# KiCad board Keyboard.kicad_pcb (continued)
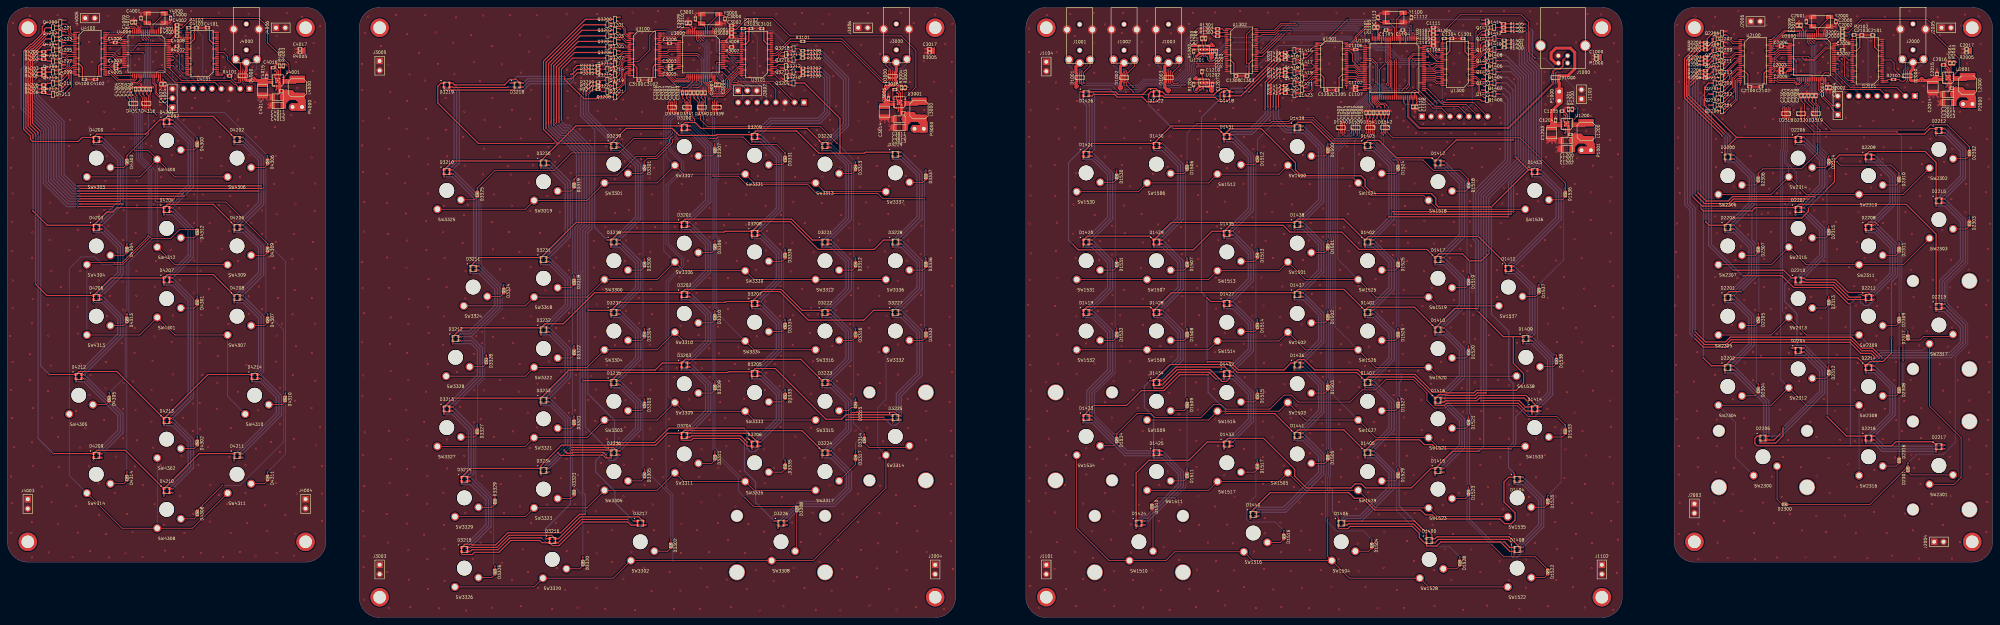
[diagram p0: board, top side]
## Routing (per net, layer and track width the routed paths; a pad name or vN(x,y) marks a point on that pad's centre or on a via; arc(x,y) is an arc through that point) (continued)
VDD_3V3: length 260.6
  Top w0.3: U1302.42 v1(336.1,156.2) ; 359.55,142.6 v1(359.55,143.5) 359.55,146 v1(360.4,146.85) U1301.31 ; U1302.1 v1(330.3,159.2) ; U1100.50 v1(365.4,142.6) 364.55,142.6 ; U1301.1 v1(354.6,155.35) ; U1301.24 v1(354.6,143.85) ; U1300.42 v1(388.6,146.85) ; U1100.100 v1(383.6,154.6) 384.45,154.6 384.45,155.6 ; 389.45,156.6 v1(389.45,155.65) 389.45,153.2 v1(388.6,152.35) U1300.31 ; U1100.28 v1(365.4,153.6) 364.55,153.6 ; 370.25,156.55 U1100.21 370.5,157.4 v1(370,157.9) ; 370.25,156.55 U1100.22 v1(370,157.9) ; 370.25,156.55 370.25,157.65 v1(370,157.9) ; 371.7,158.85 371.5,158.65 v1(371.5,157.9) U1100.19 ; v1(370,157.9) 370,159.05 369,159.05 ; U1300.24 v1(394.4,155.35) ; 376.2,158.85 v1(375.57,158.22) 375.5,158.15 U1100.11 ; 385.45,157.6 v1(386.2,157.6) ; R1304.1 C1304.1 ; U1100.75 v1(380.5,139.5) 380.5,138.65 ; 335.25,146.45 v1(335.25,147.45) 335.25,149.85 v1(336.1,150.7) U1302.31 ; U1300.1 v1(394.4,143.85) ; U1301.42 v1(360.4,152.35)
  In2.Cu w0.3: 382.5,150.8 382.5,141.5 v1(380.5,139.5) ; 382.5,150.8 382.5,153.5 v1(383.6,154.6) ; 382.5,150.8 387.8,150.8 387.9,150.9 ; P1001.2 421.77,126.38 418.88,129.28 418.88,136.07 417.05,137.9 398.2,137.9 394.4,141.7 v1(394.4,143.85) 391.6,143.85 v1(388.6,146.85) 387.9,147.55 387.9,150.9 ; v1(365.4,153.6) 369.7,157.9 v1(370,157.9) v1(371.5,157.9) 372.2,157.2 374.55,157.2 v1(375.57,158.22) 378.6,155.2 381.9,155.2 382.5,154.6 v1(383.6,154.6) ; v1(365.4,153.6) 366.2,152.8 366.2,143.4 v1(365.4,142.6) 367.2,140.8 379.2,140.8 v1(380.5,139.5) ; v1(365.4,153.6) 364.15,152.35 v1(360.4,152.35) ; 335.3,155.4 331.5,159.2 v1(330.3,159.2) ; 335.3,155.4 335.3,151.5 v1(336.1,150.7) ; 335.3,155.4 v1(336.1,156.2) ; v1(383.6,154.6) 386.2,157.2 v1(386.2,157.6) ; v1(394.4,155.35) 394.1,155.65 v1(389.45,155.65) 389.45,153.2 v1(388.6,152.35) 387.9,151.65 387.9,150.9 ; J1100.1 381.88,138.12 v1(380.5,139.5) ; v1(360.4,152.35) 361.1,151.65 361.1,147.55 v1(360.4,146.85) 359.55,146 v1(359.55,143.5) 359.2,143.85 v1(354.6,143.85) 351.75,143.85 344.12,151.47 336.88,151.47 v1(336.1,150.7) ; v1(360.4,152.35) 357.6,152.35 v1(354.6,155.35) ; v1(335.25,147.45) 335.25,149.85 v1(336.1,150.7)
VDD_3V3_2: length 170.3
  Top w0.3: U2100.1 v1(468.99,156.29) ; U2000.53 v1(494.34,149.79) ; 491.14,143.84 491.64,143.84 ; U2000.48 490.94,144.09 491.14,143.89 ; U2101.42 v1(499.29,147.79) ; U2000.64 493.89,155.29 v1(494.24,155.64) 494.84,156.24 ; 491.64,143.84 492.14,143.84 ; 491.64,143.84 v1(491.64,144.54) ; U2000.13 484.94,158.79 v1(484.81,158.91) 484.81,159.01 484.24,159.59 483.24,159.59 ; U2000.32 480.49,147.79 480.24,147.54 ; 473.99,143.54 473.99,144.24 v1(474.29,144.54) 474.29,147.19 v1(474.89,147.79) U2100.31 ; 479.49,154.54 v1(480.14,154.54) 480.39,154.29 U2000.19 ; 483.29,159.59 483.24,159.54 ; U2100.42 v1(474.89,153.29) ; v1(496.59,157.24) 496.54,157.29 495.89,157.29 ; U2100.24 v1(467.89,144.09) ; 479.49,147.34 v1(480.24,147.34) ; v1(499.25,153.3) 500.14,154.19 v1(500.14,156.24) 500.14,157.49 C2103.1 R2102.1 ; U2101.31 499.24,153.29 ; U2101.1 507.59,144.79 v1(507.64,144.74)
  In2.Cu w0.3: v1(480.14,154.54) 481,153.68 481,148.1 v1(480.24,147.34) ; v1(480.14,154.54) 478.89,153.29 v1(474.89,153.29) ; v1(480.14,154.54) 483.1,157.5 483.4,157.5 483.5,157.6 ; 483.5,157.6 v1(484.81,158.91) ; 483.5,157.6 492.28,157.6 v1(494.24,155.64) ; v1(480.24,147.34) 482.08,145.5 490.68,145.5 v1(491.64,144.54) 493.6,146.5 493.6,149.05 v1(494.34,149.79) ; v1(480.24,147.34) 479.08,148.5 475.6,148.5 v1(474.89,147.79) ; 509.38,144 513.06,144 515.02,142.04 522.04,142.04 525.2,138.88 P2000.2 ; v1(494.24,155.64) 494.99,155.64 v1(496.59,157.24) ; v1(494.24,155.64) 493.1,154.5 493.1,151.03 v1(494.34,149.79) ; v1(494.34,149.79) 496.34,147.79 v1(499.29,147.79) ; v1(474.89,147.79) 474.2,148.48 474.2,152.6 v1(474.89,153.29) ; v1(474.89,147.79) 474.29,147.19 v1(474.29,144.54) 474.03,144.8 468.6,144.8 v1(467.89,144.09) ; v1(499.29,147.79) 499.9,148.4 499.9,152.65 v1(499.25,153.3) 500.14,154.19 v1(500.14,156.24) ; v1(499.29,147.79) 502.34,144.74 v1(507.64,144.74) 508.38,144 509.4,144 ; v1(468.99,156.29) 471.89,156.29 v1(474.89,153.29)
VDD_3V3_3: length 180
  Top w0.3: C3010.1 C3009.2 ; U3101.42 v1(199.35,149.55) ; U3000.64 193.95,156.05 v1(194.3,156.4) 194.9,157 ; 200.2,159.3 v1(200.2,158) 200.2,155.95 v1(199.3,155.05) U3101.31 ; 195.95,158.05 196.6,158.05 v1(196.65,158) ; 191.2,144.6 191.7,144.6 ; U3000.48 191,144.85 191.2,144.65 ; 191.7,144.6 v1(191.7,145.3) ; 191.7,144.6 192.2,144.6 ; U3000.2 v1(190.5,159.35) ; U3000.13 185,159.55 v1(184.88,159.68) 184.3,160.25 ; U3000.32 180.55,148.55 v1(180.3,148.3) 179.55,148.3 ; U3100.31 v1(174.95,149.55) 174.35,148.95 v1(174.35,146.3) 174.05,146 174.05,145.3 ; U3100.42 v1(174.95,155.05) ; U3100.1 v1(169.05,158.05) ; U3100.24 v1(169.05,146.55) ; 179.35,155.3 v1(180.2,155.3) 180.45,155.05 U3000.19 ; U3101.1 v1(205.25,146.55) ; R3102.1 C3103.1
  In2.Cu w0.3: 190.75,146.25 v1(191.7,145.3) ; 190.75,146.25 182.35,146.25 v1(180.3,148.3) 180.3,155.2 v1(180.2,155.3) ; 190.75,146.25 193.45,148.95 193.45,156.4 ; 200,150.2 200,154.35 v1(199.3,155.05) ; 200,150.2 203.65,146.55 v1(205.25,146.55) 205.25,144.6 206.97,142.88 211.5,142.88 J3001.1 217.16,137.22 237.12,137.22 242.18,132.18 P3000.2 ; 200,150.2 v1(199.35,149.55) ; v1(180.2,155.3) 179.2,154.3 175.7,154.3 v1(174.95,155.05) ; v1(180.2,155.3) 181.3,155.3 184.88,158.88 ; 193.45,156.4 v1(190.5,159.35) 189.4,158.25 185.5,158.25 184.88,158.88 ; 193.45,156.4 v1(194.3,156.4) 195.9,158 v1(196.65,158) 199.3,155.35 v1(199.3,155.05) ; 184.88,158.88 v1(184.88,159.68) ; v1(174.95,155.05) 172.05,155.05 v1(169.05,158.05) ; v1(174.95,155.05) 174.2,154.3 174.2,150.3 v1(174.95,149.55) 174.35,148.95 v1(174.35,146.3) 174.1,146.55 v1(169.05,146.55) ; v1(199.3,155.05) 200.2,155.95 v1(200.2,158)
VDD_3V3_4: length 174.2
  Top w0.3: C4010.1 C4009.2 ; U4000.19 30.75,155.25 v1(30.5,155.5) 29.65,155.5 ; 24.35,145.5 24.35,146.2 v1(24.65,146.5) 24.65,149.15 v1(25.25,149.75) U4100.31 ; 34.6,160.45 v1(35.17,159.88) 35.3,159.75 U4000.13 ; 42,144.8 v1(42,145.5) ; 42,144.8 42.5,144.8 ; 42,144.8 41.5,144.8 ; 46.25,158.25 46.9,158.25 v1(46.95,158.2) ; U4100.1 v1(19.35,158.25) ; U4000.2 v1(40.8,159.55) ; U4000.64 44.25,156.25 v1(44.6,156.6) 45.2,157.2 ; U4100.24 v1(19.35,146.75) ; 41.5,144.85 41.3,145.05 U4000.48 ; U4101.31 49.3,155.25 50.5,156.45 v1(50.5,158.2) 50.5,159.5 ; R4102.1 C4103.1 ; U4101.42 v1(49.65,149.75) ; 29.85,148.5 v1(30.6,148.5) 30.85,148.75 U4000.32 ; v1(58,146.7) 56.6,146.7 ; U4000.53 v1(44.7,150.75) ; U4100.42 v1(25.25,155.25)
  In2.Cu w0.3: v1(30.6,148.5) 32.5,150.4 32.5,155 ; v1(30.6,148.5) 41.55,148.5 42,148.05 ; v1(30.6,148.5) 30.35,148.25 26.75,148.25 v1(25.25,149.75) ; v1(25.25,155.25) 24.5,154.5 24.5,150.5 v1(25.25,149.75) ; v1(25.25,155.25) 25.75,154.75 29.75,154.75 v1(30.5,155.5) 32,155.5 32.5,155 ; v1(25.25,155.25) 22.25,158.25 v1(19.35,158.25) ; 42,148.05 v1(44.7,150.75) ; 42,148.05 v1(42,145.5) ; 32.5,155 33.5,155 35.17,156.68 v1(35.17,159.88) 35.17,159.57 35.75,159 40.25,159 v1(40.8,159.55) 43.75,156.6 ; v1(24.65,146.5) 23.38,147.78 23.38,147.88 ; v1(19.35,146.75) 22.25,146.75 23.38,147.88 ; v1(49.65,149.75) 52.7,146.7 v1(58,146.7) 63.05,146.7 65.38,144.37 J4001.1 ; v1(49.65,149.75) 50.5,150.6 50.5,157.5 ; v1(49.65,149.75) 45.7,149.75 v1(44.7,150.75) ; v1(44.7,150.75) 43.75,151.7 43.75,156.6 ; 23.38,147.88 v1(25.25,149.75) ; 43.75,156.6 v1(44.6,156.6) 46.2,158.2 v1(46.95,158.2) 47.65,157.5 50.5,157.5 ; 50.5,157.5 v1(50.5,158.2) ; J4001.1 65.63,142.75 ; J4001.1 69.45,143 74.38,138.07 P4000.2
VDD_5V0: length 278.1
  Top w0.2: U1202.4 v2(323,142.7) ; 325.48,143.57 325.5,143.6 ; U1201.4 v2(323,151.7)
  Top w0.3: U1300.7 v1(394.4,146.85) ; v1(400.1,150.1) Q1407.2 ; 418,133.95 418,133.25 ; 418,133.25 418,133.5 418.25,133.25 ; 418,133.25 418,133 419.5,133 ; Q1403.2 v1(400.1,144.1) ; U1200.13 419.75,132 419.5,132.25 U1200.12 ; 417,132.75 417,133.5 417.5,134 C1204.1 ; C1204.1 417.75,133.75 417.75,132.75 U1200.12 ; C1204.1 418.25,133.75 U1200.10 ; C1204.1 417.05,134 416.9,134.15 ; C1204.1 417.75,134 417.5,133.75 417.5,132.75 ; 331.15,146.45 331.15,149.85 v1(330.3,150.7) U1302.18 ; Q1402.2 v1(398.1,142.6) ; U1200.12 U1200.11 418.25,133.25 ; 355.45,142.6 355.45,146 v1(354.6,146.85) U1301.18 ; U1300.18 394.55,152.35 v1(394.4,152.2) 393.55,153.05 393.55,156.6 ; Q1406.2 v1(398.1,148.6) ; v1(398.85,150.9) 398.85,150.9 Q1408.2 ; Q1405.2 v1(400.1,147.1) ; v1(377,139.3) U1100.68 ; 418.25,133.25 417.5,132.5 417,132.5 ; Q1404.2 v1(398.1,145.6) ; U1301.7 v1(354.6,152.35) ; v1(388.7,140.1) 397.6,140.1 v1(398.1,139.6) Q1400.2 ; 325.38,152.57 325.4,152.6 ; Q1401.2 v1(400.1,141.1) ; U1302.7 v1(330.3,156.2)
  Top w0.6: 324,143.57 U1202.7 324.77,143.57 ; 322,143.57 U1202.1 320.98,142.75 v2(320.98,142.7) ; v2(325.4,151.7) v2(324.73,151.7) ; v2(325.4,151.7) 325.4,152.6 325.4,152.38 v2(324.73,151.7) ; v2(325.4,151.7) 325.4,151.5 v2(325.05,151.15) 324.73,151.47 v2(324.73,151.7) ; v2(324.73,151.7) 324.73,152.57 ; 324,152.57 U1201.7 324.73,152.57 ; 324.77,143.57 325.48,143.57 ; 324.77,143.57 v2(324.77,142.7) ; v2(324.77,142.7) v2(325.5,142.7) ; v2(324.77,142.7) 325.5,143.43 325.5,143.6 v2(325.5,142.7) ; v2(324.77,142.7) 324.77,142.47 v1(325.15,142.1) 325.5,142.45 v2(325.5,142.7) ; v2(321,151.7) 321,151.78 U1201.1 322,152.57 ; 324.73,152.57 325.38,152.57
  Top w0.8: 417.25,133.25 417.5,133.5 ; P1000.2 419,139 416.9,136.9 C1203.1
  Top w1: 417,133 417.5,133.5 ; 417,133 417,132.5 ; 417,133 417,132.75
  In2.Cu w0.6: v2(324.73,151.7) 324.73,151.47 v2(325.05,151.15) 325.4,151.5 v2(325.4,151.7) v2(324.73,151.7)
  In2.Cu w0.8: v1(398.1,139.6) 398.6,139.6 v1(400.1,141.1) ; v1(400.1,141.1) 401.4,141.1 402.77,139.73 P1000.2 ; v1(400.1,141.1) 398.6,142.6 ; 323,151.3 323.4,150.9 324.8,150.9 325.4,151.5 ; 323,151.3 v2(323,151.7) 323,151.5 ; 323,151.3 322.6,150.9 321.5,150.9 321,151.4 v2(321,151.7) ; v2(325.5,142.7) 325.5,142.45 ; v2(325.5,142.7) 327,142.7 331.2,146.9 331.2,149.8 v1(330.3,150.7) ; v2(325.5,142.7) v2(324.77,142.7) 324.77,142.47 v1(325.15,142.1) ; 325.5,142.45 v1(325.15,142.1) ; 325.5,142.45 324.85,141.8 ; v1(330.3,150.7) 331.2,151.6 331.2,155.3 v1(330.3,156.2) 329,157.5 329,159.5 330,160.5 346.45,160.5 351.05,155.9 ; v1(330.3,150.7) 326.4,150.7 v2(325.4,151.7) ; v2(323,142.7) 323,142.1 ; 323,142.1 323.5,141.6 ; 323,142.1 322.5,141.6 ; 398.6,142.6 v1(400.1,144.1) 398.6,145.6 ; 398.6,142.6 v1(398.1,142.6) ; 323.5,141.6 324.65,141.6 v1(325.15,142.1) ; 323.5,141.6 322.5,141.6 ; 351.05,155.9 354.05,158.9 372.3,158.9 373.1,159.7 376.9,159.7 377.9,158.7 378.9,158.7 379.8,159.6 384.5,159.6 385.5,158.6 394.1,158.6 396.4,156.3 396.4,152.2 ; 351.05,155.9 v1(354.6,152.35) 355.5,151.45 355.5,147.75 v1(354.6,146.85) ; 398.6,145.6 v1(398.1,145.6) ; 398.6,145.6 v1(400.1,147.1) 398.6,148.6 ; v1(394.4,146.85) 396.35,146.85 v1(398.1,148.6) 398.6,148.6 ; 322.5,141.6 321.4,141.6 320.98,142.03 v2(320.98,142.7) ; 396.4,152.2 397.55,152.2 v1(398.85,150.9) 399.65,150.1 v1(400.1,150.1) 398.6,148.6 ; 396.4,152.2 v1(394.4,152.2)
  Bottom w0.3: v1(388.7,140.1) 387.7,139.1 387,139.1 386.3,139.8 385.7,139.8 384.7,138.8 377.5,138.8 v1(377,139.3)
VDD_5V0_2: length 159.1
  Top w0.3: U2101.18 v1(505.14,153.29) 504.15,154.28 504.15,156.25 504.14,156.26 C2101.1 ; U2101.7 v1(505.14,147.79) ; U2100.7 v1(468.99,153.29) ; Q2204.2 v1(462.34,139.04) ; v1(464.19,144.19) 464.19,144.14 Q2201.2 ; Q2203.2 463.69,140.54 v1(464.24,141.09) ; Q2202.2 v1(462.34,142.04) ; Q2200.2 v1(462.34,145.04) ; 463.69,137.54 v1(464.24,138.09) ; C2100.1 469.94,146.86 v1(469,147.8) 468.99,147.79 U2100.18 ; 521.25,145.75 521,146 521,145.75 ; 521.25,145.75 U2001.11 U2001.12 ; 521.25,145.75 520.5,145 520,145 ; U2001.10 521.25,146.25 C2015.1 ; C2015.1 520.75,146.25 520.75,145.25 U2001.12 ; C2015.1 520.5,146.5 520,146 520,145.25 ; C2015.1 520.75,146.5 520.5,146.25 520.5,145.25 ; 521,145.75 521,145.5 522.5,145.5 ; 521,145.75 521,146.45 ; U2001.12 522.5,144.75 522.75,144.5 U2001.13
  Top w0.7: 514,147.8 513.75,147.55 513.75,145.45 514,145.2
  Top w0.8: v1(516.5,145.2) 516.5,145.45 v1(516.85,145.8) 517.2,145.45 v1(517.2,145.2) ; v1(516.5,145.2) v1(517.2,145.2) ; v1(516.5,145.2) 514,145.2 ; v1(517.2,145.2) 519.95,145.2 520,145.25 ; 514,147.8 514.5,148.3 J2000.1 ; 520.25,145.75 520.5,146
  Top w1: 520,145.25 520,145.5 ; 520,145.5 520.5,146 ; 520,145.5 520,145
  In2.Cu w0.8: v1(516.85,145.8) 516.5,145.45 v1(516.5,145.2) v1(517.2,145.2) 517.2,145.45 v1(516.85,145.8) ; v1(516.85,145.8) 519.5,148.45 519.5,153.3 517.4,155.4 510.55,155.4 508.44,153.29 v1(505.14,153.29) 505.08,153.35 504.2,153.35 ; v1(469,147.8) 469.9,148.7 469.9,152.38 v1(468.99,153.29) 468.19,153.29 ; 468.19,153.29 466.2,151.3 466.2,148.5 462.74,145.04 v1(462.34,145.04) 463.34,145.04 v1(464.19,144.19) 464.19,143.89 v1(462.34,142.04) 463.29,141.09 v1(464.24,141.09) 463.49,141.09 462.34,139.94 v1(462.34,139.04) 463.29,138.09 v1(464.24,138.09) ; 468.19,153.29 468.1,153.38 468.1,156.7 469.2,157.8 475.6,157.8 477.6,159.8 492.5,159.8 493.2,160.5 497.9,160.5 501.1,157.3 501.1,155.45 503.2,153.35 504.2,153.35 ; 504.2,153.35 504.2,148.73 v1(505.14,147.79)
VDD_5V0_3: length 191.8
  Top w0.3: Q3205.2 v1(163.4,154.8) ; v1(165.45,153.2) 165.35,153.3 Q3206.2 ; Q3207.2 v1(163.45,151.8) ; U3100.7 v1(169.05,155.05) ; U3100.18 v1(169.05,149.55) 169.95,148.65 169.95,145.3 ; 204.25,159.3 204.25,156 v1(205.2,155.05) U3101.18 ; U3101.7 v1(205.2,149.55) ; Q3201.2 v1(163.4,160.8) ; v1(165.45,159.2) 165.35,159.3 Q3202.2 ; v1(165.4,156.25) 165.35,156.3 Q3204.2 ; Q3200.2 v1(165.45,162.3) ; Q3203.2 v1(163.4,157.8) ; 237.88,139.07 237.88,138.82 239.38,138.82 ; 237.88,139.07 237.88,139.78 ; 237.88,139.07 237.88,139.32 238.12,139.07 ; C3015.1 237.38,139.82 236.88,139.32 236.88,138.57 ; C3015.1 238.12,139.57 U3001.10 ; C3015.1 237.62,139.57 237.62,138.57 U3001.12 ; C3015.1 237.62,139.82 237.38,139.57 237.38,138.57 ; U3001.12 239.38,138.07 239.62,137.82 U3001.13 ; U3001.12 U3001.11 238.12,139.07 ; 238.12,139.07 237.38,138.32 236.88,138.32 ; v1(165.25,141.9) 165.25,141.9 Q3208.2 ; Q3209.2 v1(210.85,144.05)
  Top w0.7: 240,147.7 239.75,147.45 239.75,145.35 240,145.1
  Top w0.8: 237.38,139.72 236.7,140.4 236.7,142.4 v1(237.27,142.97) ; 240,145.1 240,144.6 239.4,144 238.3,144 v1(237.77,143.47) ; v1(237.77,143.47) 237.6,143.65 v1(237.1,143.65) 237.1,143.15 v1(237.27,142.97) ; v1(237.77,143.47) v1(237.27,142.97) ; J3000.1 240,147.7 ; 237.12,139.07 237.38,139.32
  Top w1: 236.88,138.57 236.88,138.82 ; 236.88,138.82 237.38,139.32 ; 236.88,138.82 236.88,138.32
  In2.Cu w0.8: v1(237.1,143.65) 237.1,143.15 v1(237.27,142.97) v1(237.77,143.47) 237.6,143.65 v1(237.1,143.65) ; v1(237.1,143.65) 223.75,157 210.25,157 208.3,155.05 v1(205.2,155.05) ; v1(165.45,159.2) 165.95,159.7 183.2,159.7 184.2,160.7 191.4,160.7 192.7,159.4 195.4,159.4 195.6,159.2 201.05,159.2 v1(205.2,155.05) ; v1(165.45,159.2) 164.8,159.2 v1(163.4,157.8) 164.95,156.25 v1(165.4,156.25) ; v1(165.45,159.2) 165,159.2 v1(163.4,160.8) 164.9,162.3 v1(165.45,162.3) ; v1(165.4,156.25) 166.6,155.05 v1(169.05,155.05) 170,154.1 170,150.5 v1(169.05,149.55) ; v1(165.4,156.25) 164.85,156.25 v1(163.4,154.8) 165,153.2 v1(165.45,153.2) 164.85,153.2 v1(163.45,151.8) 164,151.8 165.25,150.55 v1(165.25,141.9) ; v1(205.2,155.05) 204.25,154.1 204.25,150.5 v1(205.2,149.55) 207.75,147 207.75,145.75 209.45,144.05 v1(210.85,144.05)
VDD_5V0_4: length 142.8
  Top w0.3: C4015.1 69.75,145.75 69.5,145.5 69.5,144.5 ; C4015.1 69.5,145.75 69,145.25 69,144.5 ; C4015.1 69.75,145.5 69.75,144.5 U4001.12 ; C4015.1 70.25,145.5 U4001.10 ; 69,144.25 69.5,144.25 70.25,145 ; 70.25,145 70,145.25 70,145 ; 70.25,145 U4001.11 U4001.12 ; 70,145 70,144.75 71.5,144.75 ; 70,145 70,145.7 ; U4001.12 71.5,144 71.75,143.75 U4001.13 ; Q4201.2 v1(13.7,160) ; 54.55,159.5 54.55,156.2 v1(55.5,155.25) U4101.18 ; Q4200.2 v1(15.75,161.5) ; Q4203.2 v1(13.7,157) ; Q4202.2 15.65,158.5 v1(15.75,158.4) ; v1(15.7,155.45) 15.65,155.5 Q4204.2 ; 20.25,145.5 20.25,148.85 v1(19.35,149.75) U4100.18 ; U4101.7 v1(55.5,149.75) ; U4100.7 v1(19.35,155.25)
  Top w0.7: 64.5,145.25 64.25,145.5 64.25,147.55 64.5,147.8
  Top w0.8: J4000.1 64.5,147.8 ; v1(66.9,145.25) 66.9,145.5 v1(66.55,145.85) 66.2,145.5 v1(66.2,145.25) ; 64.5,145.25 69.5,145.25 69.25,145
  Top w1: 69,144.5 69,144.75 ; 69,144.75 69,144.25 ; 69,144.75 69.5,145.25
  In2.Cu w0.8: v1(55.5,155.25) 51.55,159.2 46,159.2 45.6,159.6 42.4,159.6 41.2,160.8 28.7,160.8 27,159.1 16.45,159.1 v1(15.75,158.4) 15.3,158.4 ; v1(55.5,155.25) 67.45,155.25 69.5,153.2 69.5,149.4 68.8,148.7 68.8,146.1 67.95,145.25 v1(66.9,145.25) ; v1(55.5,155.25) 54.6,154.35 54.6,150.65 v1(55.5,149.75) ; v1(66.9,145.25) v1(66.2,145.25) 66.2,145.5 v1(66.55,145.85) 66.9,145.5 v1(66.9,145.25) ; 15.3,158.4 v1(13.7,160) 15.2,161.5 v1(15.75,161.5) ; 15.3,158.4 13.9,157 ; 13.9,157 v1(13.7,157) ; 13.9,157 15.45,155.45 v1(15.7,155.45) 15.9,155.25 v1(19.35,155.25) 20.2,154.4 20.2,150.6 v1(19.35,149.75)
/D+: length 60.3
  Top w0.18: U1100.71 378.5,139.75 378.4,139.65 378.4,135.41 381.31,132.5 405.19,132.5 417.1,144.41 417.1,144.88 417,144.98 D1000.1 D1000.10 417,147.02 417.1,147.12 417.1,147.71 417.94,148.55 419.24,148.55 419.85,149.16 419.85,150.76 420.18,151.09 420.4,151.09 J1000.3
/D-: length 60.8
  Top w0.18: J1000.2 420.4,150.79 420.3,150.79 420.15,150.64 420.15,149.04 419.36,148.25 418.06,148.25 417.4,147.59 417.4,147.12 417.5,147.02 D1000.9 D1000.2 417.5,144.98 417.4,144.88 417.4,144.29 405.31,132.2 381.19,132.2 378.1,135.29 378.1,139.65 378,139.75 U1100.70
/Keyboard-Left/CPU-Left/JTAG_RST: length 17
  Top w0.2: U3000.56 v2(194.35,152.05)
  Bottom w0.2: v2(194.35,152.05) 194.35,151.5 193.8,150.95 193.8,147.7 197.3,144.2 198.1,144.2 198.5,143.8 198.5,140.5 J3001.8
/Keyboard-Left/CPU-Left/JTAG_TCK: length 23.2
  Top w0.2: J3001.2 206.79,145.05 v2(197.3,145.05) ; U3000.49 193.8,148.55 v2(194.85,147.5)
  Bottom w0.2: v2(194.85,147.5) v2(197.3,145.05)
/Keyboard-Left/CPU-Left/JTAG_TDI: length 14.9
  Top w0.2: U3000.50 v2(194.4,149.05)
  Bottom w0.2: J3001.7 201.05,140.51 201.05,143.55 200.4,144.2 199.25,144.2 v2(194.4,149.05)
/Keyboard-Left/CPU-Left/JTAG_TDO: length 19.4
  Top w0.2: v2(194.8,151.2) 194.45,151.55 U3000.55
  Bottom w0.2: J3001.6 203.7,140.62 203.7,143.4 202.3,144.8 199.7,144.8 198.25,146.25 198.25,147.75 v2(194.8,151.2)
/Keyboard-Left/CPU-Left/JTAG_TMS: length 24
  Top w0.2: U3000.46 190,147.25 190.3,147.55 193,147.55 v2(194,146.55) ; J3001.4 207.46,142.8 205.71,144.55 197.05,144.55 196.9,144.7 v2(196,144.7)
  Bottom w0.2: v2(196,144.7) 195.85,144.7 v2(194,146.55)
/Keyboard-Left/CPU-Left/LC1: length 10.1
  Top w0.2: 176.25,157.55 180.14,157.55 182.14,159.55 184,159.55 184.5,159.05 U3000.14
/Keyboard-Left/CPU-Left/LC2: length 9.7
  Top w0.2: U3000.15 184,158.98 183.83,159.15 182.35,159.15 180.25,157.05 176,157.05
/Keyboard-Left/CPU-Left/LC3: length 8.4
  Top w0.2: U3000.16 182.2,158.25 180.45,156.5 177.12,156.5 176.67,156.05 176,156.05
/Keyboard-Left/CPU-Left/LC4: length 5.5
  Top w0.2: 176,155.55 176.74,155.55 177.24,156.05 U3000.17
/Keyboard-Left/CPU-Left/LC5: length 5.2
  Top w0.2: U3000.20 U3100.41
/Keyboard-Left/CPU-Left/LC6: length 5.2
  Top w0.2: U3100.40 U3000.21
/Keyboard-Left/CPU-Left/LC7: length 5.5
  Top w0.2: U3100.38 178,153.05 178.5,153.55 U3000.22
/Keyboard-Left/CPU-Left/LC8: length 5.5
  Top w0.2: U3100.37 178.1,152.55 178.6,153.05 U3000.23
/Keyboard-Left/CPU-Left/LC9: length 15.7
  Top w0.2: v2(181.7,143.6) 180.8,143.6 177.35,147.05 U3100.26 ; U3000.41 187.5,144.15 186.65,143.3 v2(185.4,143.3)
  Bottom w0.2: v2(181.7,143.6) 181.9,143.8 182.7,143.8 183.2,143.3 v2(185.4,143.3)
/Keyboard-Left/CPU-Left/LC10: length 18.1
  Top w0.2: U3101.47 197.5,147.05 195.35,144.9 195.35,142.85 193.4,140.9 190.3,140.9 189.35,141.85 189.35,143.4 188,144.75 U3000.42
/Keyboard-Left/CPU-Left/LR1: length 17.4
  Top w0.2: U3000.43 188.5,144.85 189.75,143.6 189.75,142.1 190.55,141.3 193.2,141.3 194.9,143 194.9,145.1 197.35,147.55 U3101.46
/Keyboard-Left/CPU-Left/LR4: length 5.5
  Top w0.2: U3100.36 178.4,152.05 178.9,151.55 U3000.26
/Keyboard-Left/CPU-Left/LR5: length 5.5
  Top w0.2: U3100.35 178.2,151.55 178.7,151.05 U3000.27
/Keyboard-Left/CPU-Left/LR6: length 5.2
  Top w0.2: U3000.28 U3100.33
/Keyboard-Left/CPU-Left/LR7: length 8.1
  Top w0.2: U3000.61 v2(194.3,154.55) ; U3101.41 v2(196.75,150.05)
  Bottom w0.2: v2(194.3,154.55) 195.4,153.45 195.4,151.4 v2(196.75,150.05)
/Keyboard-Left/CPU-Left/LR8: length 8.1
  Top w0.2: v2(197.1,150.55) U3101.40 ; U3000.62 v2(194.7,155.05)
  Bottom w0.2: v2(197.1,150.55) 195.85,151.8 195.85,153.9 v2(194.7,155.05)
/Keyboard-Left/CPU-Left/LR9: length 5.2
  Top w0.2: U3000.29 U3100.32
/Keyboard-Left/CPU-Left/LR10: length 9.4
  Top w0.2: v2(177.05,149.05) U3100.30 ; v2(178.95,147.45) 180.7,145.7 182.85,145.7 U3000.33
  Bottom w0.2: v2(177.05,149.05) 177.05,148.5 177.5,148.05 178.35,148.05 v2(178.95,147.45)
/Keyboard-Left/CPU-Left/LR11: length 10.2
  Top w0.2: U3100.29 177.05,148.55 180.3,145.3 183.75,145.3 184,145.55 U3000.34
/Keyboard-Left/CPU-Left/LR12: length 10.7
  Top w0.2: U3100.27 177.45,147.55 180.1,144.9 183.95,144.9 184.5,145.45 U3000.35
/Keyboard-Left/CPU-Left/LV_EN: length 59.2
  Top w0.2: v2(199.3,158.05) U3101.25 198.18,158.07 R3102.2 ; v2(199.4,146.55) U3101.48 ; v2(177.25,158.05) U3100.48 ; v2(177.1,146.45) 176.1,146.45 176.05,146.5 ; U3000.57 v2(192.15,152.55)
  Bottom w0.2: v2(199.3,158.05) 198.2,156.95 ; 198.2,156.95 198.2,152.55 198.2,150.75 198.65,150.3 198.65,147.3 v2(199.4,146.55) ; 198.2,156.95 197.85,157.3 196,157.3 195.25,158.05 191.4,158.05 ; v2(177.1,146.45) 175.95,147.6 175.95,156.75 v2(177.25,158.05) 191.4,158.05 ; 191.4,158.05 191.4,153.3 v2(192.15,152.55)
/Keyboard-Left/CPU-Left/nRST: length 38.4
  Top w0.2: U3000.7 188,157.45 188.4,157.05 191.25,157.05 192.75,158.55 v2(194.45,158.55) 195,158.55 R3000.2 R3001.2 C3002.2
  Bottom w0.2: J3001.5 204.92,143.08 202.45,145.55 202.45,156.95 200.85,158.55 v2(194.45,158.55)
/Keyboard-Left/CPU-Left/PG: length 68.6
  Top w0.2: R3001.1 196.75,159.05 199.75,162.05 206.55,162.05 211.3,157.3 241.3,157.3 245.3,153.3 245.3,143.4 242.38,140.47 U3001.4
/Keyboard-Left/CPU-Left/UART6_RX3: length 22.9
  Top w0.2: J3002.2 198.19,144.1 v2(195.9,144.1) ; U3101.43 197.45,149.05 193.9,145.5 v2(193.9,144.1) 193.9,143.3 192.75,142.15 190.9,142.15 190.55,142.5 190.55,144 189.5,145.05 U3000.45
  Bottom w0.2: v2(195.9,144.1) 195.6,144.1 195.4,144.3 194.1,144.3 v2(193.9,144.1)
/Keyboard-Left/CPU-Left/UART6_TX3: length 20.3
  Top w0.2: U3000.44 189,144.95 190.15,143.8 190.15,142.3 190.7,141.75 192.95,141.75 194.4,143.2 v2(194.4,143.7) 194.4,145.25 197.1,147.95 197.1,148.1 197.55,148.55 U3101.44
  Bottom w0.2: v2(194.4,143.7) 195.1,143.7 196.3,142.5 J3002.1
/Keyboard-Left/CPU-Left/USART1_RX: length 5.4
  Top w0.2: U3000.59 194.25,153.55 195.25,152.55 U3101.36
/Keyboard-Left/CPU-Left/USART1_TX: length 5.4
  Top w0.2: U3101.37 195.1,152.05 194.1,153.05 U3000.58
/Keyboard-Left/KeyMatrix-Left/KC1: length 178.8
  Top w0.2: v2(178.4,136.5) 178.4,136.9 178.5,137 D3338.6 D3338.5 178.5,138.9 178.4,139 v2(178.4,139.5) ; SW3336.1 SW3312.1 201.59,91.42 SW3330.1 182.59,93.8 SW3306.1 175.46,91.42 SW3300.1 156.46,86.67 SW3318.1 139.84,84.3 SW3324.1 ; U3000.37 v2(185.5,145.3)
  Bottom w0.2: v2(178.4,136.5) 177.22,135.32 177.22,99.16 SW3306.1 ; v2(185.5,145.3) 185.3,145.1 183.9,145.1 183.6,145.4 180.9,145.4 178.4,142.9 v2(178.4,139.5)
/Keyboard-Left/KeyMatrix-Left/KC2: length 160.8
  Top w0.2: v2(179,136.03) 178.9,136.12 178.9,136.7 179,136.8 D3338.7 D3338.4 179,139.2 178.9,139.3 178.9,139.9 v2(179,140) ; U3000.38 v2(186,144.9) ; SW3337.1 220.59,115.17 SW3313.1 201.59,117.55 SW3331.1 182.59,119.92 SW3307.1 175.46,117.55 SW3301.1 156.46,112.8 SW3319.1 139.84,110.42 SW3325.1
  Bottom w0.2: SW3307.1 177.82,124.68 177.82,134.85 v2(179,136.03) ; v2(179,140) 179,142.9 181.1,145 183.4,145 183.75,144.65 185.75,144.65 v2(186,144.9)
/Keyboard-Left/KeyMatrix-Left/KC3: length 311.9
  Top w0.2: U3000.39 v2(186.5,145.3) ; SW3326.1 142.21,8.29 SW3320.1 163.59,10.67 SW3302.1 v2(179.66,15.42) SW3308.1 217.57,15.42 237.21,35.06 SW3314.1 ; v2(180,136.03) 180.03,136.03 180.1,136.1 180.1,136.7 180,136.8 D3338.9 D3338.2 180,139.2 180.1,139.3 180.1,139.9 v2(180,140)
  Bottom w0.2: v2(186.5,145.3) 186.5,144.65 186.05,144.2 183.6,144.2 183.2,144.6 181.3,144.6 180,143.3 v2(180,140) ; SW3314.1 235,46.13 235,56.75 237.21,58.96 SW3332.1 ; v2(179.66,15.42) 179.66,33.32 177.82,35.15 177.82,90.95 182.03,95.15 182.03,96.85 177.82,101.05 177.82,116.95 182.03,121.15 182.03,122.95 178.43,126.55 178.43,134.45 v2(180,136.03)
/Keyboard-Left/KeyMatrix-Left/KC4: length 211.4
  Top w0.2: v2(180.6,136.5) 180.6,136.9 180.5,137 D3338.10 D3338.1 180.5,138.9 180.6,139 v2(180.6,139.5) ; SW3315.1 201.59,53.42 SW3333.1 182.59,55.79 SW3309.1 175.46,53.42 SW3303.1 156.46,48.67 SW3321.1 139.84,46.29 SW3327.1 ; U3000.40 v2(187,144.9)
  Bottom w0.2: v2(187,144.9) 187,144.55 186.25,143.8 183.4,143.8 183,144.2 181.5,144.2 180.6,143.3 v2(180.6,139.5) ; v2(180.6,136.5) 180.6,135.82 179.03,134.25 179.03,126.75 182.62,123.15 182.62,120.95 178.43,116.75 178.43,101.25 182.62,97.05 182.62,94.95 178.43,90.75 178.43,59.96 SW3309.1
/Keyboard-Left/KeyMatrix-Left/KC5: length 188.7
  Top w0.2: v2(192.05,149.55) U3000.51 ; SW3328.1 139.84,65.3 SW3322.1 156.46,67.67 SW3304.1 175.46,72.42 SW3310.1 182.59,74.8 SW3334.1 201.59,72.42 SW3316.1 ; v2(190.9,135.9) 190.9,136.7 191,136.8 D3339.7 D3339.4 191,139.2 190.9,139.3 190.9,139.95 v2(190.95,140)